# Altium PCB WAB_1x4_PCB.PcbDoc (part 1 of 5) (continued)
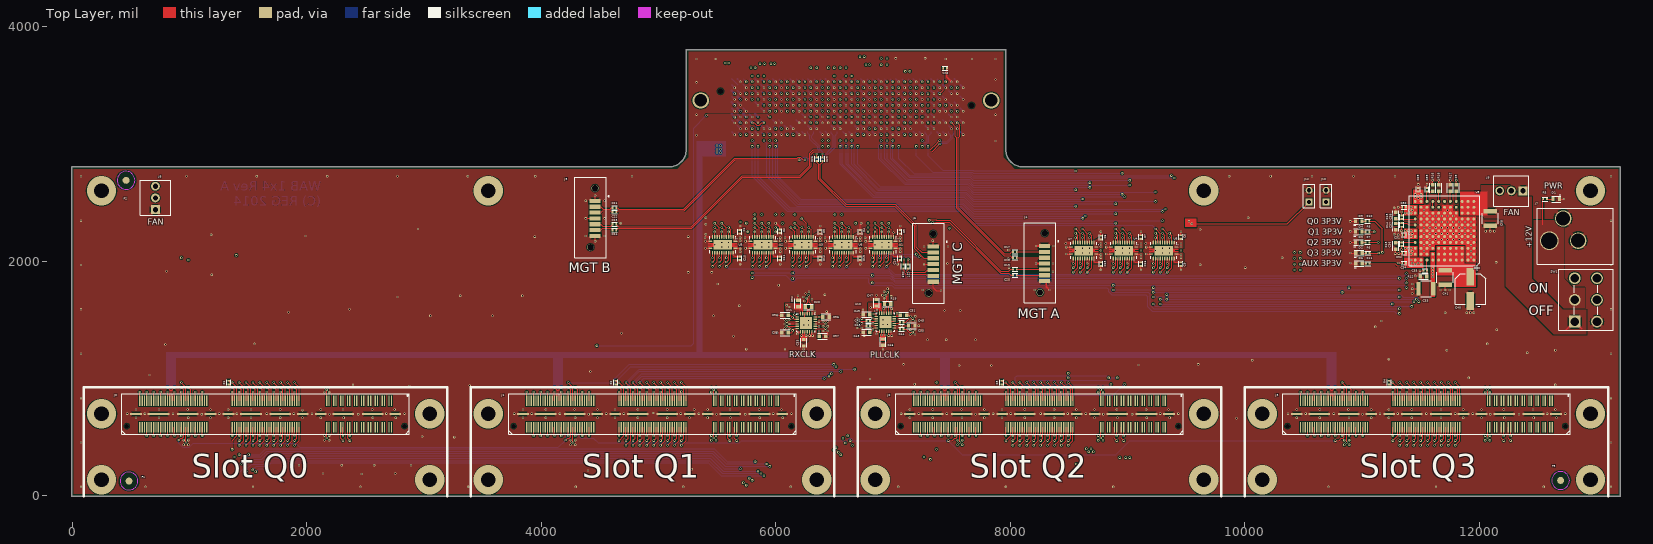
[diagram p0: Top Layer view]
## Components (designator, comment, footprint, x,y, rotation, side; value= is the part's Value field where it differs from the comment)
C1 "0402" 0402_SMT_CAP 5695,2250 r90 top
C2 "0402" 0402_SMT_CAP 6035,2255 r90 top
C3 "0402" 0402_SMT_CAP 6380,2250 r90 top
C4 "0402" 0402_SMT_CAP 6720,2250 r90 top
C5 "0402" 0402_SMT_CAP 7060,2250 r90 top
C6 "0402" 0402_SMT_CAP 8774.84,2200.83 r90 top
C7 "0402" 0402_SMT_CAP 9114.84,2205.83 r90 top
C8 "0402" 0402_SMT_CAP 9454.84,2205.83 r90 top
C9 "0402" 0402_SMT_CAP 9454.84,1975.83 r270 top
C10 "0402" 0402_SMT_CAP 5695,2025 r270 top
C11 "0402" 0402_SMT_CAP 6035,2025 r270 top
C12 "0402" 0402_SMT_CAP 6380,2025 r270 top
C13 "0402" 0402_SMT_CAP 6720,2025 r270 top
C14 "0402" 0402_SMT_CAP 7060,2025 r270 top
C15 "0402" 0402_SMT_CAP 8774.84,1975.83 r270 top
C16 "0402" 0402_SMT_CAP 9114.84,1975.83 r270 top
C17 "0402" 0402_SMT_CAP 8040,2080 r180 top
C18 "0402" 0402_SMT_CAP 8040,2030 r180 top
C19 "0402" 0402_SMT_CAP 8040,1930 r180 top
C20 "0402" 0402_SMT_CAP 8040,1880 r180 top
C21 "0402" 0402_SMT_CAP 4625,2455 r0 top
C22 "0402" 0402_SMT_CAP 4625,2420 r0 top
C23 "0402" 0402_SMT_CAP 4625,2315 r0 top
C24 "0402" 0402_SMT_CAP 4625,2265 r0 top
C25 "0402" 0402_SMT_CAP 6400,2870 r90 top
C26 "0402" 0402_SMT_CAP 6350,2870 r90 top
C27 "0402" 0402_SMT_CAP 7130,1955 r90 top
C28 "0402" 0402_SMT_CAP 7090,1955 r90 top
C29 "0402" 0402_SMT_CAP 11480,2610 r270 top
C30 "0402" 0402_SMT_CAP 11360,2460 r0 top
C31 "0402" 0402_SMT_CAP 11360,2225 r0 top
C32 "0402" 0402_SMT_CAP 11360,2070 r0 top
C33 "1210 X7R" 1210_Chip_Cap 11545,1765 r180 top
C34 "0402" 0402_SMT_CAP 11360,1985 r0 top
C35 "0402" 0402_SMT_CAP 11540,1920 r180 top
C36 "0402" 0402_SMT_CAP 11340,2145 r270 top
C37 "0402" 0402_SMT_CAP 11340,2310 r270 top
C38 "0402" 0402_SMT_CAP 11340,2375 r90 top
C39 "0402" 0402_SMT_CAP 11555,2610 r90 top
C40 "Cap Elec Polar" OSCON-SVPC-C6-V3_V2 11925,1765 r180 top
C41 "1210 X5R" 1210_Chip_Cap 11710,1860 r270 top
C42 "0402" 0402_SMT_CAP 6790,1490 r180 top
C43 "0402" 0402_SMT_CAP 6790,1450 r180 top
C44 "0402" 0402_SMT_CAP 7075,1420 r0 top
C45 "0402" 0402_SMT_CAP 7075,1480 r0 top
C46 "0603" 0603_SMT_CAP 6915,1310 r90 top
C47 "0603" 0603_SMT_CAP 6860,1645 r270 top
C48 "0603" 0603_SMT_CAP 6775,1395 r0 top
C49 "0603" 0603_SMT_CAP 6775,1545 r0 top
C50 "0603" 0603_SMT_CAP 7160,1450 r180 top
C51 "0603" 0603_SMT_CAP 7090,1540 r180 top
C52 "0603" 0603_SMT_CAP 6190,1640 r270 top
C53 "0603" 0603_SMT_CAP 6240,1305 r90 top
C54 "0603" 0603_SMT_CAP 6080,1540 r0 top
C55 "0603" 0603_SMT_CAP 6080,1390 r0 top
C56 "0603" 0603_SMT_CAP 6430,1525 r180 top
C57 "0603" 0603_SMT_CAP 6400,1360 r180 top
C58 "1210 X7R" 1210_Chip_Cap 12095,2365 r270 top
D1 "0603 LED Red" 0603_SMT_LED 12657.44,2530 r0 top
D2 "0603 LED Red" 0603_SMT_LED 10975,2070 r180 top
D3 "0603 LED Red" 0603_SMT_LED 10972.56,2160 r180 top
D4 "0603 LED Red" 0603_SMT_LED 10972.56,2250 r180 top
D5 "0603 LED Red" 0603_SMT_LED 10972.56,2340 r180 top
D6 "0603 LED Red" 0603_SMT_LED 10975,1980 r180 top
F1 "Fiducial_1.5mm" 1.5mm_FIDUCIAL_v4 485,125 r0 top
F2 "Fiducial_1.5mm" 1.5mm_FIDUCIAL_v4 460,2690 r0 top
F3 "Fiducial_1.5mm" 1.5mm_FIDUCIAL_v4 12695,130 r0 top
J0 "ASP-122953-01" ASP-122953-01_v3 1650,698 r180 top locked
J1 "ASP-122953-01" ASP-122953-01_v3 4950,698 r180 top locked
J2 "ASP-122953-01" ASP-122953-01_v3 8250,698 r180 top locked
J3 "ASP-122953-01" ASP-122953-01_v3 11550,698 r180 top locked
J4 "SATA HDR" Molex_67800-5003_V2 8255,1980 r90 top
J5 "SATA HDR" Molex_67800-5003_V2 4420,2365 r90 top
J6 "SATA HDR" Molex_67800-5003_V2 7305,1975 r90 top
J7 "Barrel-Connector" RAPC712X 12845,2175 r90 top
J8 "3-pin 2.54mm KK" 3-Pin_Fan_Header 710,2540 r90 top
J9 "3-pin 2.54mm KK" 3-Pin_Fan_Header 12275,2600 r180 top
J10 "Aux 3.3V Header" HDR1X2 10695,2505 r90 top
J12 "Aux VADJ Header" HDR1X2 10550,2505 r90 top
P1 "CN-2P-2M-R400" BTB-SM1-27-2V400M 6600,3329.53 r0 bottom locked
R1 "0402 DNP" 0402_SMT_RES 1334.25,965 r270 top
R2 "0402 DNP" 0402_SMT_RES 4635,965 r270 top
R3 "0402 DNP" 0402_SMT_RES 7929.25,965 r270 top
R4 "0402 DNP" 0402_SMT_RES 11234.25,965 r270 top
R5 "0402" 0402_SMT_RES 12562.44,2530 r180 top
R6 "0402" 0402_SMT_RES 11050,2070 r0 top
R7 "0402" 0402_SMT_RES 11047.56,2160 r0 top
R8 "0402" 0402_SMT_RES 11047.56,2250 r0 top
R9 "0603" 0603_SMT_RES 11805,2625 r270 top
R10 "0402" 0402_SMT_RES 11047.56,2340 r0 top
R11 "0402" 0402_SMT_RES 11050,1980 r0 top
R12 "0603" 0603_SMT_RES 11525,1870 r0 top
R13 "0603" 0603_SMT_RES 11290,2130 r90 top
R14 "0603" 0603_SMT_RES 11290,2295 r90 top
R15 "0603" 0603_SMT_RES 11290,2390 r270 top
R16 "0603" 0603_SMT_RES 11605,2625 r270 top
R17 "0603" 0603_SMT_RES 11755,2625 r270 top
R18 "0603" 0603_SMT_RES 11655,2625 r270 top
R19 "0603" 0603_SMT_RES 6955,1634.8 r180 top
R20 "0603" 0603_SMT_RES 6280,1610 r180 top
R21 "0402 DNP" 0402_SMT_RES 7445,3645 r0 top
SW1 "DPDT" 1201-M2-S3-C-QE2 12910,1670 r0 top
U1 "SN74AVC8T245_RHL" RHL24_4P05X2P05_V3 6915.71,2140 r270 top
U2 "SN74AVC8T245_RHL" RHL24_4P05X2P05_V3 5891.43,2140 r270 top
U3 "SN74AVC8T245_RHL" RHL24_4P05X2P05_V3 6232.86,2140 r270 top
U4 "SN74AVC8T245_RHL" RHL24_4P05X2P05_V3 8968.41,2090.83 r270 top
U5 "SN74AVC8T245_RHL" RHL24_4P05X2P05_V3 5550,2140 r270 top
U6 "SN74AVC8T245_RHL" RHL24_4P05X2P05_V3 6574.29,2140 r270 top
U7 "SN74AVC8T245_RHL" RHL24_4P05X2P05_V3 8626.99,2090.83 r270 top
U8 "SN74AVC8T245_RHL" RHL24_4P05X2P05_V3 9309.84,2090.83 r270 top
U9 "LTM8001 5A uModule" BGA121_15x15x3.42 11705,2260 r180 top
U10 "LMK00105_RTW_24" RTW24_3 6935,1480 r0 top
U11 "LMK00105_RTW_24" RTW24_3 6260,1475 r0 top

## Footprints (in the part's own frame and the unit in brackets; to place one, negate y for a bottom-side part, rotate by r counter-clockwise, add the part's x,y. Pads: shape width x height; smd on the part's side, far side on the other; paste and mask are expansions set on the pad)
1.5mm_FIDUCIAL_v4 [mm] "Fiducial Mark - large size w 1mm clearance"
  round 1.5 all layers, no hole paste-0.75 mask+1: 0(0,0)
  Top Layer keep-out circle w0.254: c0,0 r1.934
  Bottom Layer keep-out circle w0.254: c0,0 r1.934
3-Pin_Fan_Header [mil] "Molex KK 2.54mm 3-Pin Fan Header"
  rect 75x75 hole 45: 1(-100,0)
  round 75 hole 45: 2(0,0) 3(100,0)
  silkscreen extent -150,-130 150,130, body extent -147,-125 147,125, height 418
0402_SMT_CAP [mm] "0402 Chip Cap, Res, Ind"
  rect 0.4x0.5 smd: 1(-0.4,0) 2(0.4,0)
  silkscreen extent -0.6,-0.43 0.6,0.43, body extent -0.5,-0.3 0.5,0.3, height 0.21
0402_SMT_RES [mm] "0402 Imperial Surface Mount Resistor"
  rect 0.4x0.5 smd: 1(-0.4,0) 2(0.4,0)
  silkscreen extent -0.6,-0.43 0.6,0.43, body extent -0.51,-0.3 0.49,0.3, height 0.21
0603_SMT_CAP [mm] "0603 Chip Cap"
  rect 0.7x0.8 smd: 1(-0.7,0) 2(0.7,0)
  silkscreen extent -1.02,-0.64 1.02,0.64, body extent -0.8,-0.4 0.8,0.4, height 0.31
0603_SMT_LED [mm] "0603 Chip Cap with Polar Placement Marks"
  rect 0.7x0.8 smd: 1(-0.7,0) 2(0.7,0)
  silkscreen extent -1.02,-0.64 1.02,0.89, body extent -0.85,-0.45 0.85,0.45, height 0.91
0603_SMT_RES [mm] "0603 Chip Resistor"
  rect 0.7x0.8 smd: 1(-0.7,0) 2(0.7,0)
  silkscreen extent -1.02,-0.64 1.02,0.64, body extent -0.8,-0.4 0.8,0.4, height 0.31
1201-M2-S3-C-QE2 [mil] "C&K 1000 Series DPDT Slide Switch Thru Mount"
  rect 100x100 hole 73: 1(-95,-185)
  round 100 hole 73: 2(-95,0) 3(-95,185) 4(95,-185) 5(95,0) 6(95,185)
  silkscreen extent -230,-260 235,260, body extent -225,-250 225,250, height 560
1210_Chip_Cap [mm] "Chip Capacitor, 2-Leads, Body 3.05x2.54mm, IPC Medium Density"
  rect 0.95x2.95 smd: 1(-1.575,0) 2(1.575,0)
  silkscreen extent -1.14,-1.78 1.14,1.78, body extent -1.6,-1.25 1.6,1.25, height 2.51
ASP-122953-01_v3 [mil] "Samtec HSMC Motherboard Connector"
  rect 11x89.5 smd mask+2.5: 1(-1072.83,-112.75) 2(-1072.83,112.75) 3(-1053.15,-112.75) 4(-1053.15,112.75) 5(-1013.78,-112.75) 6(-1013.78,112.75) 7(-994.09,-112.75) 8(-994.09,112.75) 9(-954.72,-112.75) 10(-954.72,112.75) 11(-935.04,-112.75) 12(-935.04,112.75) 13(-895.67,-112.75) 14(-895.67,112.75) 15(-875.98,-112.75) 16(-875.98,112.75) 17(-836.61,-112.75) 18(-836.61,112.75) 19(-816.93,-112.75) 20(-816.93,112.75) 21(-777.56,-112.75) 22(-777.56,112.75) 23(-757.87,-112.75) 24(-757.87,112.75) 25(-718.5,-112.75) 26(-718.5,112.75) 27(-698.82,-112.75) 28(-698.82,112.75) 29(-659.45,-112.75) 30(-659.45,112.75) 31(-639.76,-112.75) 32(-639.76,112.75) 33(-600.39,-112.75) 34(-600.39,112.75) 35(-580.71,-112.75) 36(-580.71,112.75) 37(-541.34,-112.75) 38(-541.34,112.75) 39(-521.65,-112.75) 40(-521.65,112.75) 41(-285.43,-112.75) 42(-285.43,112.75) 43(-265.75,-112.75) 44(-265.75,112.75) 45(-246.06,-112.75) 46(-246.06,112.75) 47(-226.38,-112.75) 48(-226.38,112.75) 49(-206.69,-112.75) 50(-206.69,112.75) 51(-187.01,-112.75) 52(-187.01,112.75) 53(-167.32,-112.75) 54(-167.32,112.75) 55(-147.64,-112.75) 56(-147.64,112.75) 57(-127.95,-112.75) 58(-127.95,112.75) 59(-108.27,-112.75) 60(-108.27,112.75) 61(-88.58,-112.75) 62(-88.58,112.75) 63(-68.9,-112.75) 64(-68.9,112.75) 65(-49.21,-112.75) 66(-49.21,112.75) 67(-29.53,-112.75) 68(-29.53,112.75) 69(-9.84,-112.75) 70(-9.84,112.75) 71(9.84,-112.75) 72(9.84,112.75) 73(29.53,-112.75) 74(29.53,112.75) 75(49.21,-112.75) 76(49.21,112.75) 77(68.9,-112.75) 78(68.9,112.75) 79(88.58,-112.75) 80(88.58,112.75) 81(108.27,-112.75) 82(108.27,112.75) 83(127.95,-112.75) 84(127.95,112.75) 85(147.64,-112.75) 86(147.64,112.75) 87(167.32,-112.75) 88(167.32,112.75) 89(187.01,-112.75) 90(187.01,112.75) 91(206.69,-112.75) 92(206.69,112.75) 93(226.38,-112.75) 94(226.38,112.75) 95(246.06,-112.75) 96(246.06,112.75) 97(265.75,-112.75) 98(265.75,112.75) 99(285.43,-112.75) 100(285.43,112.75) 101(501.97,-112.75) 102(501.97,112.75) 103(521.65,-112.75) 104(521.65,112.75) 105(541.34,-112.75) 106(541.34,112.75) 107(561.02,-112.75) 108(561.02,112.75) 109(580.71,-112.75) 110(580.71,112.75) 111(600.39,-112.75) 112(600.39,112.75) 113(620.08,-112.75) 114(620.08,112.75) 115(639.76,-112.75) 116(639.76,112.75) 117(659.45,-112.75) 118(659.45,112.75) 119(679.13,-112.75) 120(679.13,112.75) 121(698.82,-112.75) 122(698.82,112.75) 123(718.5,-112.75) 124(718.5,112.75) 125(738.19,-112.75) 126(738.19,112.75) 127(757.87,-112.75) 128(757.87,112.75) 129(777.56,-112.75) 130(777.56,112.75) 131(797.24,-112.75) 132(797.24,112.75) 133(816.93,-112.75) 134(816.93,112.75) 135(836.61,-112.75) 136(836.61,112.75) 137(856.3,-112.75) 138(856.3,112.75) 139(875.98,-112.75) 140(875.98,112.75) 141(895.67,-112.75) 142(895.67,112.75) 143(915.35,-112.75) 144(915.35,112.75) 145(935.04,-112.75) 146(935.04,112.75) 147(954.72,-112.75) 148(954.72,112.75) 149(974.41,-112.75) 150(974.41,112.75) 151(994.09,-112.75) 152(994.09,112.75) 153(1013.78,-112.75) 154(1013.78,112.75) 155(1033.46,-112.75) 156(1033.46,112.75) 157(1053.15,-112.75) 158(1053.15,112.75) 159(1072.83,-112.75) 160(1072.83,112.75)
  rect 100x17 smd mask+2: 161(-1105.5,0) 164(-470.5,0) 165(-317.5,0) 168(317.5,0) 169(470.5,0) 172(1105.5,0)
  rect 185x17 smd mask+2: 162(-913,0) 163(-663,0) 166(-125,0) 167(125,0) 170(663,0) 171(913,0)
  round 0 hole 40 unplated: 173(-1184,105) 174(1184,105)
  silkscreen extent -1226,-173 1226,173, body extent -1206,-147 1206,148, height 128
BGA121_15x15x3.42 [mil]
  round 25 smd: A1(-250,250) A2(-200,250) A3(-150,250) A4(-100,250) A5(-50,250) A6(0,250) A7(50,250) A8(100,250) A9(150,250) A10(200,250) A11(250,250) B1(-250,200) B2(-200,200) B3(-150,200) B4(-100,200) B5(-50,200) B6(0,200) B7(50,200) B8(100,200) B9(150,200) B10(200,200) B11(250,200) C1(-250,150) C2(-200,150) C3(-150,150) C4(-100,150) C5(-50,150) C6(0,150) C7(50,150) C8(100,150) C9(150,150) C10(200,150) C11(250,150) D1(-250,100) D2(-200,100) D3(-150,100) D4(-100,100) D5(-50,100) D6(0,100) D7(50,100) D8(100,100) D9(150,100) D10(200,100) D11(250,100) E1(-250,50) E2(-200,50) E3(-150,50) E4(-100,50) E5(-50,50) E6(0,50) E7(50,50) E8(100,50) E9(150,50) E10(200,50) E11(250,50) F1(-250,0) F2(-200,0) F3(-150,0) F4(-100,0) F5(-50,0) F6(0,0) F7(50,0) F8(100,0) F9(150,0) F10(200,0) F11(250,0) G1(-250,-50) G2(-200,-50) G3(-150,-50) G4(-100,-50) G5(-50,-50) G6(0,-50) G7(50,-50) G8(100,-50) G9(150,-50) G10(200,-50) G11(250,-50) H1(-250,-100) H2(-200,-100) H3(-150,-100) H4(-100,-100) H5(-50,-100) H6(0,-100) H7(50,-100) H8(100,-100) H9(150,-100) H10(200,-100) H11(250,-100) J1(-250,-150) J2(-200,-150) J3(-150,-150) J4(-100,-150) J5(-50,-150) J6(0,-150) J7(50,-150) J8(100,-150) J9(150,-150) J10(200,-150) J11(250,-150) K1(-250,-200) K2(-200,-200) K3(-150,-200) K4(-100,-200) K5(-50,-200) K6(0,-200) K7(50,-200) K8(100,-200) K9(150,-200) K10(200,-200) K11(250,-200) L1(-250,-250) L2(-200,-250) L3(-150,-250) L4(-100,-250) L5(-50,-250) L6(0,-250) L7(50,-250) L8(100,-250) L9(150,-250) L10(200,-250) L11(250,-250)
  silkscreen extent -300,-300 300,300, body extent -295,-295 295,295, height 135
BTB-SM1-27-2V400M [mm] "Board-to-Board Connector, Vertical, 10-Row, Pitch 1.27mm, 400-Position"
  round 0.64 smd: A1(24.765,5.715) A2(23.495,5.715) A3(22.225,5.715) A4(20.955,5.715) A5(19.685,5.715) A6(18.415,5.715) A7(17.145,5.715) A8(15.875,5.715) A9(14.605,5.715) A10(13.335,5.715) A11(12.065,5.715) A12(10.795,5.715) A13(9.525,5.715) A14(8.255,5.715) A15(6.985,5.715) A16(5.715,5.715) A17(4.445,5.715) A18(3.175,5.715) A19(1.905,5.715) A20(0.635,5.715) A21(-0.635,5.715) A22(-1.905,5.715) A23(-3.175,5.715) A24(-4.445,5.715) A25(-5.715,5.715) A26(-6.985,5.715) A27(-8.255,5.715) A28(-9.525,5.715) A29(-10.795,5.715) A30(-12.065,5.715) A31(-13.335,5.715) A32(-14.605,5.715) A33(-15.875,5.715) A34(-17.145,5.715) A35(-18.415,5.715) A36(-19.685,5.715) A37(-20.955,5.715) A38(-22.225,5.715) A39(-23.495,5.715) A40(-24.765,5.715) B1(24.765,4.445) B2(23.495,4.445) B3(22.225,4.445) B4(20.955,4.445) B5(19.685,4.445) B6(18.415,4.445) B7(17.145,4.445) B8(15.875,4.445) B9(14.605,4.445) B10(13.335,4.445) B11(12.065,4.445) B12(10.795,4.445) B13(9.525,4.445) B14(8.255,4.445) B15(6.985,4.445) B16(5.715,4.445) B17(4.445,4.445) B18(3.175,4.445) B19(1.905,4.445) B20(0.635,4.445) B21(-0.635,4.445) B22(-1.905,4.445) B23(-3.175,4.445) B24(-4.445,4.445) B25(-5.715,4.445) B26(-6.985,4.445) B27(-8.255,4.445) B28(-9.525,4.445) B29(-10.795,4.445) B30(-12.065,4.445) B31(-13.335,4.445) B32(-14.605,4.445) B33(-15.875,4.445) B34(-17.145,4.445) B35(-18.415,4.445) B36(-19.685,4.445) B37(-20.955,4.445) B38(-22.225,4.445) B39(-23.495,4.445) B40(-24.765,4.445) C1(24.765,3.175) C2(23.495,3.175) C3(22.225,3.175) C4(20.955,3.175) C5(19.685,3.175) C6(18.415,3.175) C7(17.145,3.175) C8(15.875,3.175) C9(14.605,3.175) C10(13.335,3.175) C11(12.065,3.175) C12(10.795,3.175) C13(9.525,3.175) C14(8.255,3.175) C15(6.985,3.175) C16(5.715,3.175) C17(4.445,3.175) C18(3.175,3.175) C19(1.905,3.175) C20(0.635,3.175) C21(-0.635,3.175) C22(-1.905,3.175) C23(-3.175,3.175) C24(-4.445,3.175) C25(-5.715,3.175) C26(-6.985,3.175) C27(-8.255,3.175) C28(-9.525,3.175) C29(-10.795,3.175) C30(-12.065,3.175) C31(-13.335,3.175) C32(-14.605,3.175) C33(-15.875,3.175) C34(-17.145,3.175) C35(-18.415,3.175) C36(-19.685,3.175) C37(-20.955,3.175) C38(-22.225,3.175) C39(-23.495,3.175) C40(-24.765,3.175) D1(24.765,1.905) D2(23.495,1.905) D3(22.225,1.905) D4(20.955,1.905) D5(19.685,1.905) D6(18.415,1.905) D7(17.145,1.905) D8(15.875,1.905) D9(14.605,1.905) D10(13.335,1.905) D11(12.065,1.905) D12(10.795,1.905) D13(9.525,1.905) D14(8.255,1.905) D15(6.985,1.905) D16(5.715,1.905) D17(4.445,1.905) D18(3.175,1.905) D19(1.905,1.905) D20(0.635,1.905) D21(-0.635,1.905) D22(-1.905,1.905) D23(-3.175,1.905) D24(-4.445,1.905) D25(-5.715,1.905) D26(-6.985,1.905) D27(-8.255,1.905) D28(-9.525,1.905) D29(-10.795,1.905) D30(-12.065,1.905) D31(-13.335,1.905) D32(-14.605,1.905) D33(-15.875,1.905) D34(-17.145,1.905) D35(-18.415,1.905) D36(-19.685,1.905) D37(-20.955,1.905) D38(-22.225,1.905) D39(-23.495,1.905) D40(-24.765,1.905) E1(24.765,0.635) E2(23.495,0.635) E3(22.225,0.635) E4(20.955,0.635) E5(19.685,0.635) E6(18.415,0.635) E7(17.145,0.635) E8(15.875,0.635) E9(14.605,0.635) E10(13.335,0.635) E11(12.065,0.635) E12(10.795,0.635) E13(9.525,0.635) E14(8.255,0.635) E15(6.985,0.635) E16(5.715,0.635) E17(4.445,0.635) E18(3.175,0.635) E19(1.905,0.635) E20(0.635,0.635) E21(-0.635,0.635) E22(-1.905,0.635) E23(-3.175,0.635) E24(-4.445,0.635) E25(-5.715,0.635) E26(-6.985,0.635) E27(-8.255,0.635) E28(-9.525,0.635) E29(-10.795,0.635) E30(-12.065,0.635) E31(-13.335,0.635) E32(-14.605,0.635) E33(-15.875,0.635) E34(-17.145,0.635) E35(-18.415,0.635) E36(-19.685,0.635) E37(-20.955,0.635) E38(-22.225,0.635) E39(-23.495,0.635) E40(-24.765,0.635) F1(24.765,-0.635) F2(23.495,-0.635) F3(22.225,-0.635) F4(20.955,-0.635) F5(19.685,-0.635) F6(18.415,-0.635) F7(17.145,-0.635) F8(15.875,-0.635) F9(14.605,-0.635) F10(13.335,-0.635) F11(12.065,-0.635) F12(10.795,-0.635) F13(9.525,-0.635) F14(8.255,-0.635) F15(6.985,-0.635) F16(5.715,-0.635) F17(4.445,-0.635) F18(3.175,-0.635) F19(1.905,-0.635) F20(0.635,-0.635) F21(-0.635,-0.635) F22(-1.905,-0.635) F23(-3.175,-0.635) F24(-4.445,-0.635) F25(-5.715,-0.635) F26(-6.985,-0.635) F27(-8.255,-0.635) F28(-9.525,-0.635) F29(-10.795,-0.635) F30(-12.065,-0.635) F31(-13.335,-0.635) F32(-14.605,-0.635) F33(-15.875,-0.635) F34(-17.145,-0.635) F35(-18.415,-0.635) F36(-19.685,-0.635) F37(-20.955,-0.635) F38(-22.225,-0.635) F39(-23.495,-0.635) F40(-24.765,-0.635) G1(24.765,-1.905) G2(23.495,-1.905) G3(22.225,-1.905) G4(20.955,-1.905) G5(19.685,-1.905) G6(18.415,-1.905) G7(17.145,-1.905) G8(15.875,-1.905) G9(14.605,-1.905) G10(13.335,-1.905) G11(12.065,-1.905) G12(10.795,-1.905) G13(9.525,-1.905) G14(8.255,-1.905) G15(6.985,-1.905) G16(5.715,-1.905) G17(4.445,-1.905) G18(3.175,-1.905) G19(1.905,-1.905) G20(0.635,-1.905) G21(-0.635,-1.905) G22(-1.905,-1.905) G23(-3.175,-1.905) G24(-4.445,-1.905) G25(-5.715,-1.905) G26(-6.985,-1.905) G27(-8.255,-1.905) G28(-9.525,-1.905) G29(-10.795,-1.905) G30(-12.065,-1.905) G31(-13.335,-1.905) G32(-14.605,-1.905) G33(-15.875,-1.905) G34(-17.145,-1.905) G35(-18.415,-1.905) G36(-19.685,-1.905) G37(-20.955,-1.905) G38(-22.225,-1.905) G39(-23.495,-1.905) G40(-24.765,-1.905) H1(24.765,-3.175) H2(23.495,-3.175) H3(22.225,-3.175) H4(20.955,-3.175) H5(19.685,-3.175) H6(18.415,-3.175) H7(17.145,-3.175) H8(15.875,-3.175) H9(14.605,-3.175) H10(13.335,-3.175) H11(12.065,-3.175) H12(10.795,-3.175) H13(9.525,-3.175) H14(8.255,-3.175) H15(6.985,-3.175) H16(5.715,-3.175) H17(4.445,-3.175) H18(3.175,-3.175) H19(1.905,-3.175) H20(0.635,-3.175) H21(-0.635,-3.175) H22(-1.905,-3.175) H23(-3.175,-3.175) H24(-4.445,-3.175) H25(-5.715,-3.175) H26(-6.985,-3.175) H27(-8.255,-3.175) H28(-9.525,-3.175) H29(-10.795,-3.175) H30(-12.065,-3.175) H31(-13.335,-3.175) H32(-14.605,-3.175) H33(-15.875,-3.175) H34(-17.145,-3.175) H35(-18.415,-3.175) H36(-19.685,-3.175) H37(-20.955,-3.175) H38(-22.225,-3.175) H39(-23.495,-3.175) H40(-24.765,-3.175) J1(24.765,-4.445) J2(23.495,-4.445) J3(22.225,-4.445) J4(20.955,-4.445) J5(19.685,-4.445) J6(18.415,-4.445) J7(17.145,-4.445) J8(15.875,-4.445) J9(14.605,-4.445) J10(13.335,-4.445) J11(12.065,-4.445) J12(10.795,-4.445) J13(9.525,-4.445) J14(8.255,-4.445) J15(6.985,-4.445) J16(5.715,-4.445) J17(4.445,-4.445) J18(3.175,-4.445) J19(1.905,-4.445) J20(0.635,-4.445) J21(-0.635,-4.445) J22(-1.905,-4.445) J23(-3.175,-4.445) J24(-4.445,-4.445) J25(-5.715,-4.445) J26(-6.985,-4.445) J27(-8.255,-4.445) J28(-9.525,-4.445) J29(-10.795,-4.445) J30(-12.065,-4.445) J31(-13.335,-4.445) J32(-14.605,-4.445) J33(-15.875,-4.445) J34(-17.145,-4.445) J35(-18.415,-4.445) J36(-19.685,-4.445) J37(-20.955,-4.445) J38(-22.225,-4.445) J39(-23.495,-4.445) J40(-24.765,-4.445) K1(24.765,-5.715) K2(23.495,-5.715) K3(22.225,-5.715) K4(20.955,-5.715) K5(19.685,-5.715) K6(18.415,-5.715) K7(17.145,-5.715) K8(15.875,-5.715) K9(14.605,-5.715) K10(13.335,-5.715) K11(12.065,-5.715) K12(10.795,-5.715) K13(9.525,-5.715) K14(8.255,-5.715) K15(6.985,-5.715) K16(5.715,-5.715) K17(4.445,-5.715) K18(3.175,-5.715) K19(1.905,-5.715) K20(0.635,-5.715) K21(-0.635,-5.715) K22(-1.905,-5.715) K23(-3.175,-5.715) K24(-4.445,-5.715) K25(-5.715,-5.715) K26(-6.985,-5.715) K27(-8.255,-5.715) K28(-9.525,-5.715) K29(-10.795,-5.715) K30(-12.065,-5.715) K31(-13.335,-5.715) K32(-14.605,-5.715) K33(-15.875,-5.715) K34(-17.145,-5.715) K35(-18.415,-5.715) K36(-19.685,-5.715) K37(-20.955,-5.715) K38(-22.225,-5.715) K39(-23.495,-5.715) K40(-24.765,-5.715)
  round 0.97 hole 1.27 unplated: MH1(-27.19,-3.05) MH2(27.19,0)
  silkscreen extent -27.89,-7.34 28.78,7.34, body extent -27.89,-7.34 28.78,7.34, height 7.21
HDR1X2 [mm] "Connector; Header; 2 Position"
  rect 1.5x1.5 hole 0.9: 1(0,0)
  round 1.5 hole 0.9: 2(2.54,0)
  silkscreen extent -1.27,-1.27 3.81,1.27
Molex_67800-5003_V2 [mm] "SATA SMT Vertical Shrounded Connector 67800-5003"
  rect 0.9x2.4 smd: 1(3.81,-1) 2(2.54,-1) 3(1.27,-1) 4(0,-1) 5(-1.27,-1) 6(-2.54,-1) 7(-3.81,-1)
  silkscreen extent -8.51,-4.06 8.89,3.43, body extent -8.27,-3.22 8.63,3.23, height 8.41
OSCON-SVPC-C6-V3_V2 [mm] "Electrolytic SMT Cap, Os-Con Size C6 SVPC Series"
  rect 1.6x3.85 smd: 1(0,-2.625) 2(0,2.625)
  silkscreen extent -3.3,-3.3 3.3,3.3, body extent -3.3,-3.3 3.3,3.3, height 5.9
RAPC712X [mil] "Rt Angle 2.5mm PCB Thru DC Power Jack RAPC712X"
  round 140 hole 120: 1(0,0) 1(189,128)
  round 160 hole 140: 2(0,246)
  silkscreen extent -200,-300 275,350, body extent -175,-324 175,324, height 430
RHL24_4P05X2P05_V3 [mm] "TI Bus Translator RVQFN Package"
  oval 0.28x0.85 smd mask+0.064: 1(-0.75,2.725) 12(-0.75,-2.725) 13(0.75,-2.725) 24(0.75,2.725)
  oval 0.85x0.28 smd mask+0.064: 2(-1.725,2.25) 3(-1.725,1.75) 4(-1.725,1.25) 5(-1.725,0.75) 6(-1.725,0.25) 7(-1.725,-0.25) 8(-1.725,-0.75) 9(-1.725,-1.25) 10(-1.725,-1.75) 11(-1.725,-2.25) 14(1.725,-2.25) 15(1.725,-1.75) 16(1.725,-1.25) 17(1.725,-0.75) 18(1.725,-0.25) 19(1.725,0.25) 20(1.725,0.75) 21(1.725,1.25) 22(1.725,1.75) 23(1.725,2.25)
  rect 2.05x4.05 smd paste-3.175: 25(0,0)
  Top Layer region: -0.375,-2.025 0.375,-2.025 0.375,-3.15 0.16,-3.15 0.16,-2.425 -0.16,-2.425 -0.16,-3.15 -0.375,-3.15
  Top Layer region: -0.375,2.025 0.375,2.025 0.375,3.15 0.16,3.15 0.16,2.425 -0.16,2.425 -0.16,3.15 -0.375,3.15
  silkscreen extent -1.83,-2.83 1.83,2.83, body extent -1.83,-2.83 1.83,2.83, height 1
RTW24_3 [mm] "WQFN-24_TI"
  rect 0.705x0.25 smd mask+0.076: 1(-1.952,1.25) 2(-1.952,0.75) 3(-1.952,0.25) 4(-1.952,-0.25) 5(-1.952,-0.75) 6(-1.952,-1.25) 13(1.952,-1.25) 14(1.952,-0.75) 15(1.952,-0.25) 16(1.952,0.25) 17(1.952,0.75) 18(1.952,1.25)
  rect 0.25x0.705 smd mask+0.076: 7(-1.25,-1.952) 8(-0.75,-1.952) 9(-0.25,-1.952) 10(0.25,-1.952) 11(0.75,-1.952) 12(1.25,-1.952) 19(1.25,1.952) 20(0.75,1.952) 21(0.25,1.952) 22(-0.25,1.952) 23(-0.75,1.952) 24(-1.25,1.952)
  rect 2.6x2.6 smd paste-1.287: 25(0,0)
  silkscreen extent -2,-2 2,2, body extent -2.05,-2.05 2.05,2.05, height 0.8

## Part data
C1 C2 C3 C4 C5 C6 C7 C8 C9 C10 C11 C12 C13 C14 C15 C16 C17 C18 C19 C20 C21 C22 C23 C24 C25 C26 C27 C28 C29 C30 C31 C32 C34 C35 C36 C37 C38 C39 C42 C43 C44 C45: library part Cap_0402, "0402 SMT Capacitor"
C33 C41 C58: library part Cap_1210, "1210 SMT Capacitor"
C40: library part "Cap Pol3", "Polarized Capacitor (SMT Electrolytic)"
C46 C47 C48 C49 C50 C51 C52 C53 C54 C55 C56 C57: library part Cap_0603, "0603 SMT Capacitor"
D1 D2 D3 D4 D5 D6: library part LED_0603_Red, "0603 LED with Polar Markings"
J0 J1 J2 J3: "Samtec HSMC Host Connector (Female)"
J4 J5 J6: library part SATA-SMT-Jack, "Molex SMT SATA Jack, Shrouded, 67800-5003"
J7: library part Barrel-Connector-RAPC712X, "2.5mm Barrel Jack Rt-Angle Thru-Mount"
J8 J9: library part "3-Pin 2.54mm Fan Header", "Molex KK Series PCB Mount 3-pin 2.54mm Fan Header"
J10 J12: library part "Header 2", "Header, 2-Pin"
P1: "Board-to-Board Connector, Vertical, 10-Row, Pitch 1.27mm, 400-Position"
R1 R2 R3 R4 R5 R6 R7 R8 R10 R11 R21: library part Res_0402, "0402 SMT Resistor"
R9 R12 R13 R14 R15 R16 R17 R18 R19 R20: library part Res_0603, "0603 SMT Resistor"
SW1: library part 1201-M2-S2-C-X-XXX, "DPDT 6A Slide Switch C&K Thru"
U1 U2 U3 U4 U5 U6 U7 U8: "8-Bit Dual-Supply Bus Transceiver QFN 320 Mbps"
U9: library part LTM8001_BGA121, "36Vin, 5A uModule Regulator with 5-Output Configurable LDO Array"
U10 U11: "TI Universal-to-CMOS 5-Output Clock Buffer"

## Via types
v1: diameter 20, hole 10, Top Layer to Bottom Layer, tented both sides, 1766 vias
v2: diameter 250, hole 125, Top Layer to Bottom Layer, 20 vias
v3: diameter 57.09, hole 53.15, Top Layer to Bottom Layer, 6 vias
v4: diameter 20, hole 10, Top Layer to Bottom Layer, tented bottom, 2 vias
v5: diameter 140, hole 106.3, Top Layer to Bottom Layer, 2 vias

## Nets (pads, with @x,y where several pads share a name; then routed paths per layer and width w, separated by ;. In a path a pad name is that pad's centre, name@x,y a point inside that pad or via, vN(x,y) a via of type N, cw(c..) or ccw(c..) an arc to the next point about the centre after c; other vN are vias at no path point)
3P3V: C46.2 C47.2 C52.2 C53.2 P1.C39 P1.D36 P1.D38 P1.D40 U10.8 U10.9 U10.23 U10.24 U11.8 U11.9 U11.23 U11.24 | length 613.2
  Top Layer w10: C52.2@6190,1612.44 6210.79,1591.65 ; U11.24@6210.79,1551.87 6210.79,1599.2 6230.47,1579.51 U11.23@6230.47,1551.87 ; C53.2@6230.47,1335 U11.8@6230.47,1398.13 ; C53.2@6250.16,1335 U11.9@6250.16,1398.13 ; U10.24@6885.79,1556.87 6885.79,1585 ; 6885.79,1599.96 6885.79,1585 ; C46.2@6905.47,1340 U10.8@6905.47,1403.13 ; U10.23@6905.47,1556.87 6905.47,1578.41 6898.89,1585 6885.79,1585 ; C46.2@6925.16,1340 U10.9@6925.16,1403.13
  Bottom Layer w20: P1.D40@5625,3254 v1(5650,3229) ; P1.C39@5675,3204.53 v1(5700,3179.53) ; P1.D38@5725,3254.53 v1(5750,3229.53) ; P1.D36@5825,3254.53 v1(5850,3229.53)
  other v1: 6220,1365 6260,1365 6905.47,1370 6935,1370 6865,1585 6810,1605 6115,1610 6095,1625
3P3VAUX: P1.D32
12P0V: P1.C35 P1.C37 | length 188.9
  Top Layer w10: v1(5800,3179.53) 5818.89,3179.53 5840.89,3157.53 5859.11,3157.53 5881.11,3179.53 v1(5900,3179.53)
  Bottom Layer w14: P1.C35@5875,3204.53 v1(5900,3179.53)
  Bottom Layer w20: P1.C37@5775,3204.53 v1(5800,3179.53)
\UC_RESET: J0.122 J1.122 J2.122 J3.122 P1.D34 | length 15104.4
  Top Layer w4.71: v1(910,475) 925.64,490.64 939.52,490.64 950.85,501.98 950.85,584.92 J0.122@951.18,585.25 ; v1(4210,475) 4225.64,490.64 4239.52,490.64 4250.85,501.98 4250.85,584.92 J1.122@4251.18,585.25 ; v1(5410,3245) 5413.89,3248.89 5930.64,3248.89 v1(5950,3229.53) ; v1(7472.44,470) 7505,470 7525.64,490.64 7539.52,490.64 7550.85,501.98 7550.85,584.92 J2.122@7551.18,585.25 ; v1(10772.44,470) 10805,470 10825.64,490.64 10839.52,490.64 10850.85,501.98 10850.85,584.92 J3.122@10851.18,585.25
  Inner Layer 4 w4.16: v1(4210,475) 4210,1015 v1(4475,1280)
  Bottom Layer w4.71: v1(910,475) 910,447.49 942.85,414.64 998.89,414.64 1033.6,449.36 1904.08,449.36 1941.72,411.71 4146.72,411.71 v1(4210,475) ; v1@4212.14,477.14 4212.14,518.02 4223.48,529.36 4298.57,529.36 4337.93,490 4445,490 4485,450 5690,450 5710,470 6607.62,470 6626.98,489.36 6643.02,489.36 6662.38,470 v1(7472.44,470) 7592.44,350 8900,350 9020,470 v1(10772.44,470) ; v1(4475,1280) 5280,1280 5300,1300 5300,3135 v1(5410,3245) ; P1.D34@5925,3254.53 v1(5950,3229.53)
CLK0_M2C_N: P1.H5 R21.1 | length 262.9
  Top Layer w4.71: v1(7400,3429.53) 7429.25,3458.78 R21.1@7429.25,3645
  Bottom Layer w4.71: P1.H5@7375,3454.53 v1(7400,3429.53)
CLK0_M2C_P: P1.H4
CLK1_M2C_N: P1.G3
CLK1_M2C_P: P1.G2
CLK2_BIDIR_N: P1.K5 R20.1 U11.20 | length 3045.3
  Top Layer w4.71: v1(6280,1710) 6287.36,1702.64 6287.36,1648.31 6307.56,1628.11 R20.1@6307.56,1610 6287.04,1589.48 6287.04,1570.58 6289.53,1568.1 U11.20@6289.53,1551.87
  Inner Layer 4 w4.71: v1(6280,1710) 6294.19,1710 6499.19,1915 7395,1915 7417.36,1937.36 7417.36,3512.17 v1(7400,3529.53)
  Bottom Layer w4.71: P1.K5@7375,3554.53 v1(7400,3529.53)
CLK2_BIDIR_P: P1.K4 R20.2 U11.21 | length 3064.1
  Top Layer w4.71: v1(6265,1685) 6272.64,1677.36 6272.64,1648.31 6252.44,1628.11 R20.2@6252.44,1610 6272.33,1590.11 6272.33,1570.58 6269.84,1568.1 U11.21@6269.84,1551.87
  Inner Layer 4 w4.71: v1(6265,1685) 6290,1685 6505.28,1900.28 7401.1,1900.28 7405.41,1904.59 7432.64,1931.83 7432.64,3512.17 v1(7450,3529.53)
  Bottom Layer w4.71: P1.K4@7425,3554.53 v1(7450,3529.53)
CLK3_BIDIR_N: P1.J3 R19.1 U10.20 | length 2486.5
  Top Layer w4.71: v1(6955,1735) 6962.36,1727.64 6962.36,1655 R19.1@6982.56,1634.8 6964.53,1616.77 U10.20@6964.53,1556.87
  Inner Layer 4 w4.71: v1(6955,1735) 6965,1735 7025,1795 7475,1795 7517.36,1837.36 7517.36,3462.17 v1(7500,3479.53)
  Bottom Layer w4.71: P1.J3@7475,3504.53 v1(7500,3479.53)
CLK3_BIDIR_P: P1.J2 R19.2 U10.21 | length 2505.2
  Top Layer w4.71: v1(6940,1710) 6947.64,1702.36 6947.64,1655 R19.2@6927.44,1634.8 6944.84,1617.4 U10.21@6944.84,1556.87
  Inner Layer 4 w4.71: v1(6940,1710) 6964.72,1710 7035,1780.28 7481.1,1780.28 7532.07,1831.26 7532.07,3461.6 v1(7550,3479.53)
  Bottom Layer w4.71: P1.J2@7525,3504.53 v1(7550,3479.53)
CLK_DIR: P1.B1
DP0_C2M_N: C18.2 P1.C3 | length 1437.2
  Top Layer w4.71: v1(7500,3179.53) 7530.64,3148.89 7530.64,3065 7542.96,3052.68 7542.96,2451.23 7939.59,2054.59 7949.19,2045 7999.02,2045 8014.02,2030 C18.2@8024.25,2030
  Bottom Layer w4.71: P1.C3@7475,3204.53 v1(7500,3179.53)
DP0_C2M_P: C17.2 P1.C2 | length 1406.2
  Top Layer w4.71: v1(7550,3179.53) 7570,3159.53 7570,3065 7557.68,3052.68 7557.68,2457.32 7950,2065 7999.02,2065 8014.02,2080 C17.2@8024.25,2080
  Bottom Layer w4.71: P1.C2@7525,3204.53 v1(7550,3179.53)
DP0_M2C_N: C19.2 P1.C7 | length 1777.7
  Top Layer w4.71: v1(7310,2350) 7312.36,2352.36 7367.64,2352.36 7371.46,2348.54 7487.27,2348.54 7920.81,1915 7990,1915 8005,1930 C19.2@8024.25,1930
  Inner Layer 4 w4.71: v1(7300,3179.53) 7317.36,3162.17 7317.36,2357.36 v1(7310,2350)
  Bottom Layer w4.71: P1.C7@7275,3204.53 v1(7300,3179.53)
DP0_M2C_P: C20.2 P1.C6 | length 1769.2
  Top Layer w4.71: v1(7340,2330) 7365,2330 7368.82,2333.82 7481.18,2333.82 7919.72,1895.28 7989.72,1895.28 8005,1880 C20.2@8024.25,1880
  Inner Layer 4 w4.71: v1(7340,2330) 7332.36,2337.64 7332.36,3079.72 7332.64,3080 7332.64,3162.17 v1(7350,3179.53)
  Bottom Layer w4.71: P1.C6@7325,3204.53 v1(7350,3179.53)
DP1_C2M_N: C22.2 P1.A23 | length 2221.8
  Top Layer w4.71: C22.2@4640.75,2420 4650.98,2420 4661.26,2430.28 5221.1,2430.28 5655.81,2865 v1(6200,2865)
  Bottom Layer w4.71: v1(6200,2865) 6218.38,2865 6240.74,2887.36 6259.26,2887.36 6266.62,2880 6392.64,2880 6492.64,2980 6492.64,3071.93 6475,3089.57 P1.A23@6475,3104.53
DP1_C2M_P: C21.2 P1.A22 | length 2246.3
  Top Layer w4.71: C21.2@4640.75,2455 4650.98,2455 4660.98,2445 5215,2445 5650,2880 6183.38,2880 6190.74,2887.36 6209.26,2887.36 6231.62,2865 v1(6250,2865)
  Bottom Layer w4.71: v1(6250,2865) 6398.45,2865 6507.36,2973.9 6507.36,3071.93 6525,3089.57 P1.A22@6525,3104.53
DP1_M2C_N: C23.2 P1.A3 | length 3297.7
  Top Layer w4.71: C23.2@4640.75,2315 4660.75,2295 5279.19,2295 5714.19,2730 6205.28,2730 6290.28,2815 6290.28,2920.28 6319.72,2949.72 7319.72,2949.72 7377.64,3007.64 7377.64,3009.26 7398.38,3030 v1(7400,3030)
  Bottom Layer w4.71: v1@7405,3030 7415,3020 7457.64,3020 7492.64,3055 7492.64,3071.93 7475,3089.57 P1.A3@7475,3104.53
DP1_M2C_P: C24.2 P1.A2 | length 3308.4
  Top Layer w4.71: C24.2@4640.75,2265 4656.03,2280.28 5285.28,2280.28 5720.28,2715.28 6211.38,2715.28 6305,2808.9 6305,2914.19 6325.81,2935 7335,2935 v1(7400,3000)
  Bottom Layer w4.71: v1@7405.28,3005.28 7463.74,3005.28 7507.36,3048.9 7507.36,3071.93 7525,3089.57 P1.A2@7525,3104.53
DP2_C2M_N: C26.2 P1.A27 | length 266.4
  Top Layer w4.71: C26.2@6350,2885.75 v1(6350,2915)
  Bottom Layer w4.71: P1.A27@6275,3104.53 6275,3089.57 6292.64,3071.93 6292.64,3041.55 6357.09,2977.09 6357.09,2952.91 6370,2940 6370,2935 v1(6350,2915)
DP2_C2M_P: C25.2 P1.A26 | length 264.5
  Top Layer w4.71: C25.2@6400,2885.75 v1(6400,2915)
  Bottom Layer w4.71: P1.A26@6325,3104.53 6325,3089.57 6307.36,3071.93 6307.36,3047.64 6367.5,2987.5 6371.81,2983.19 6371.81,2959 6400,2930.81 v1(6400,2915)
DP2_M2C_N: C27.2 P1.A7 | length 1287.8
  Top Layer w4.71: C27.2@7130,1970.75 v1(7130,2015)
  Inner Layer 4 w4.71: v1(7130,2015) 7119.72,2025.28 7119.72,2058.9 7282.64,2221.83 7282.64,2996.89 v1(7250,3029.53)
  Bottom Layer w4.71: v1(7250,3029.53) 7269.53,3010 7277.64,3010 7292.64,3025 7292.64,3071.93 7275,3089.57 P1.A7@7275,3104.53
DP2_M2C_P: C28.2 P1.A6 | length 1249.4
  Top Layer w4.71: C28.2@7095,1975.75 v1(7095,2015)
  Inner Layer 4 w4.71: v1(7095,2015) 7105,2025 7105,2065 7267.93,2227.93 7267.93,2961.6 v1(7250,2979.53)
  Bottom Layer w4.71: v1(7250,2979.53) 7265.76,2995.28 7283.74,2995.28 7307.36,3018.9 7307.36,3071.93 7325,3089.57 P1.A6@7325,3104.53
DP3_C2M_N: P1.A31 U2.8 | length 1204.9
  Top Layer w4.71: v1(5822.53,2324.17) 5861.9,2284.8 U2.8@5861.9,2207.91
  Inner Layer 2 w4.16: v1(5822.53,2324.17) 5839.61,2341.25 6041.67,2341.25 v1(6058.75,2324.17)
  Inner Layer 4 w4.16: v1(6058.75,2324.17) 6041.67,2341.25 6041.67,2456.66 6100,2514.98 v1(6100,3079.53)
  Bottom Layer w4.71: P1.A31@6075,3104.53 v1(6100,3079.53)
DP3_C2M_P: P1.A30 U5.7 | length 1432.2
  Top Layer w4.71: U5.7@5540.16,2207.91 v1(5540.16,2250)
  Inner Layer 1 w4.16: v1(5540.16,2250) 5560,2269.84 5560,2365 5575,2380 6040.4,2380 v1(6058.75,2398.35)
  Inner Layer 4 w4.16: v1(6058.75,2398.35) 6058.75,2448.75 6150,2540 v1(6150,3079.53)
  Bottom Layer w4.71: P1.A30@6125,3104.53 v1(6150,3079.53)
DP3_M2C_N: P1.A11 U2.7 | length 3257.2
  Top Layer w4.71: U2.7@5881.59,2207.91 v1(5881.59,2250)
  Inner Layer 2 w4.16: v1(5850,3579.53) 5889.24,3618.77 v1(7106.23,3618.77)
  Inner Layer 4 w4.16: v1(5850,3579.53) 5867.08,3562.45 5867.08,2442.1 5850.35,2425.37 5850.35,2281.23 v1(5881.59,2250) ; v1(7100,3079.53) 7117.08,3096.61 7117.08,3607.92 v1(7106.23,3618.77)
  Bottom Layer w4.71: P1.A11@7075,3104.53 v1(7100,3079.53)
DP3_M2C_P: P1.A10 U2.6 | length 3252.6
  Top Layer w4.71: v1(5881.59,2287.09) 5901.27,2267.4 U2.6@5901.27,2207.91
  Inner Layer 2 w4.16: v1(5900,3579.53) 5920.47,3600 7125,3600 v1(7145,3620)
  Inner Layer 4 w4.16: v1(5881.59,2287.09) 5864.51,2304.16 5864.51,2419.51 5881.23,2436.23 5881.23,3560.76 v1(5900,3579.53) ; v1(7145,3620) 7131.23,3606.23 7131.23,3098.3 v1(7150,3079.53)
  Bottom Layer w4.71: P1.A10@7125,3104.53 v1(7150,3079.53)
DP4_C2M_N: P1.A35 U7.5 | length 3468.1
  Top Layer w4.71: v1(8617.14,2275) 8656.51,2235.63 U7.5@8656.51,2158.74
  Inner Layer 1 w4.16: v1(8617.14,2275) 8617.14,2362.14 v1(8620,2365)
  Inner Layer 3 w4.16: v1(5900,3029.53) v1(5900,3079.53)
  Bottom Layer w4.71: P1.A35@5875,3104.53 v1(5900,3079.53) ; v1(5900,3029.53) 5925,3004.53 5925,2725 6180,2470 7585,2470 7690,2365 v1(8620,2365)
DP4_C2M_P: P1.A34 U7.6 | length 3478.7
  Top Layer w4.71: v1(8617.14,2237.91) 8636.83,2218.23 U7.6@8636.83,2158.74
  Inner Layer 1 w4.16: v1(8617.14,2237.91) 8640,2260.77 v1(8640,2385)
  Inner Layer 3 w4.16: v1(5950,2979.53) 5967.08,2996.61 5967.08,3062.45 v1(5950,3079.53)
  Bottom Layer w4.71: P1.A34@5925,3104.53 v1(5950,3079.53) ; v1(5950,2979.53) 5950,2725 6190,2485 7590,2485 7690,2385 v1(8640,2385)
DP4_M2C_N: P1.A15 U7.3 | length 2616
  Top Layer w4.71: v1(8676.2,2237.91) 8695.88,2218.23 U7.3@8695.88,2158.74
  Inner Layer 1 w4.16: v1(8676.2,2237.91) 8676.2,2626.2 v1(8680,2630)
  Inner Layer 3 w4.16: v1@6900,2980 6917.08,2997.08 6917.08,3062.45 v1(6900,3079.53)
  Bottom Layer w4.71: P1.A15@6875,3104.53 v1(6900,3079.53) ; v1(6900,2979.53) 6900,2875 7105,2670 7645,2670 7685,2630 v1(8680,2630)
DP4_M2C_P: P1.A14 U7.4 | length 2596.9
  Top Layer w4.71: U7.4@8676.2,2158.74 v1(8676.2,2200.83)
  Inner Layer 1 w4.16: v1(8676.2,2200.83) 8697.08,2221.71 8697.08,2652.92 v1(8680,2670)
  Inner Layer 3 w4.16: v1@6950,2980 6931.23,2998.77 6931.23,3060.76 v1(6950,3079.53)
  Bottom Layer w4.71: P1.A14@6925,3104.53 v1(6950,3079.53) ; v1(6950,2979.53) 6950,2875 7125,2700 7655,2700 7685,2670 v1(8680,2670)
DP5_C2M_N: P1.A39 U5.5 | length 1076.8
  Top Layer w4.71: v1(5540.16,2324.17) 5579.53,2284.8 U5.5@5579.53,2207.91
  Inner Layer 2 w4.16: v1(5540.16,2324.17) 5689.17,2324.17 v1(5700,2335)
  Inner Layer 4 w4.16: v1(5700,2335) v1(5700,3079.53)
  Bottom Layer w4.71: P1.A39@5675,3104.53 v1(5700,3079.53)
DP5_C2M_P: P1.A38 U5.6 | length 1120.4
  Top Layer w4.71: v1(5540.16,2287.09) 5559.84,2267.4 U5.6@5559.84,2207.91
  Inner Layer 2 w4.16: v1(5540.16,2287.09) 5557.24,2304.16 5660.84,2304.16 5682.08,2282.92 5707.92,2282.92 v1(5750,2325)
  Inner Layer 4 w4.16: v1(5750,2325) v1(5750,3079.53)
  Bottom Layer w4.71: P1.A38@5725,3104.53 v1(5750,3079.53)